# KiCad board Zynq_SoM.kicad_pcb (continued)
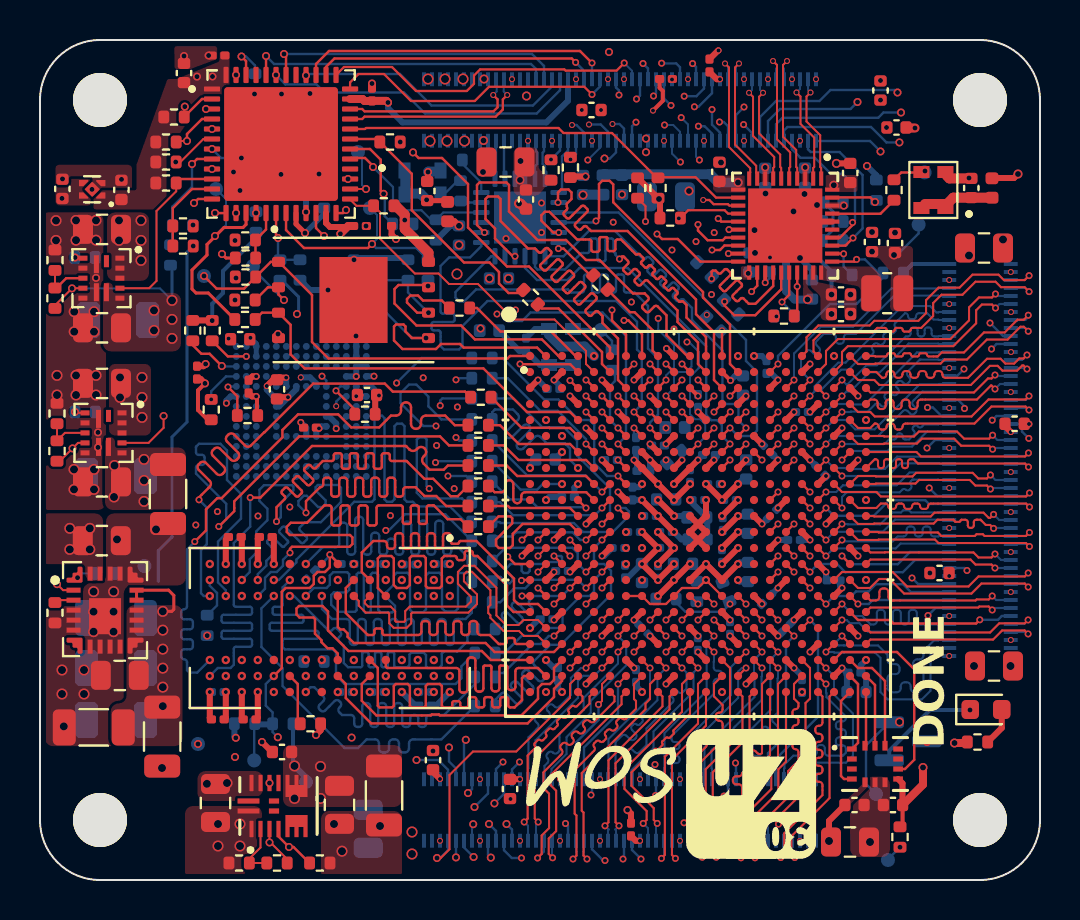
[diagram p0: board, top side]
## Routing (per net, layer and track width the routed paths; a pad name or vN(x,y) marks a point on that pad's centre or on a via; arc(x,y) is an arc through that point) (continued)
/Zynq_B502_DDR/DDR_DQ7: length 17.4
  L1 (Sig) w0.12: U2.Y1 22.54,11 22.09,11.45 15.42,11.45 14.4,12.48 14.4,13.43 14.12,13.7 12.95,13.7 12.82,13.58 12.82,13.28 12.97,13.13 13.67,13.13 13.75,13.05 13.75,12.31 14.07,11.99 14.07,11.89 14.38,11.59 14.62,11.59 14.89,11.32 U1.H7
/Zynq_B502_DDR/DDR_DQ8: length 15
  L1 (Sig) w0.12: U2.R3 v1(25.7,14.6)
  L6 (Sig+Pwr) w0.135: v1(25.7,14.6) 26.18,14.12 26.18,11.75 25.95,11.53 25.95,10.82 24.13,9 21.78,9 21.68,8.9 21.28,8.9 21.18,9 18.68,9 18.49,9.19 18.49,10.6 v1(18.09,11)
/Zynq_B502_DDR/DDR_DQ9: length 15.5
  L1 (Sig) w0.12: v1(26.5,16.2) U2.N3
  L6 (Sig+Pwr) w0.135: v1(26.5,16.2) U2.N3 26.1,17.64 25.26,18.48 23.78,18.48 23.75,18.5 23.38,18.5 23.35,18.48 18.66,18.48 18.15,17.97 18.15,17.05 17.69,16.59 17.69,14.78 17.87,14.6 18.49,14.6 v1(18.89,14.2)
/Zynq_B502_DDR/DDR_DQ10: length 10.9
  L1 (Sig) w0.12: v1(24.9,14.6) U2.T2
  L6 (Sig+Pwr) w0.135: v1(24.9,14.6) 24.9,11.02 23.65,9.78 22.82,9.78 22.81,9.76 22.42,9.76 22.41,9.78 19.31,9.78 v1(18.89,10.2)
/Zynq_B502_DDR/DDR_DQ11: length 15.5
  L1 (Sig) w0.12: U2.M2 v1(24.9,17)
  L6 (Sig+Pwr) w0.135: v1(18.89,15) 18.6,15 18.49,15.11 18.49,16.25 18.66,16.42 18.66,17.86 18.78,17.98 18.92,17.98 arc(19.06,17.92) 19.12,17.78 19.12,16.68 arc(19.18,16.54) 19.32,16.48 19.42,16.48 arc(19.56,16.54) 19.62,16.68 19.62,17.78 arc(19.68,17.92) 19.82,17.98 19.92,17.98 arc(20.06,17.92) 20.12,17.78 20.12,17.23 arc(20.18,17.09) 20.32,17.03 20.42,17.03 arc(20.56,17.09) 20.62,17.23 20.62,17.78 arc(20.68,17.92) 20.82,17.98 24.79,17.98 25.2,17.57 25.2,17.3 v1(24.9,17)
/Zynq_B502_DDR/DDR_DQ12: length 13.3
  L1 (Sig) w0.12: v1(24.07,14.98) 24.1,15 U2.R1
  L6 (Sig+Pwr) w0.135: v1(20.49,11) 21.33,11 arc(21.51,11.07) 21.58,11.25 arc(21.65,11.43) 21.83,11.5 22.17,11.5 arc(22.35,11.43) 22.42,11.25 arc(22.49,11.07) 22.67,11 23.27,11 23.55,11.28 23.55,11.76 arc(23.5,11.88) 23.37,11.94 21.91,11.94 arc(21.78,11.99) 21.73,12.11 21.73,12.26 arc(21.78,12.38) 21.91,12.44 23.37,12.44 arc(23.5,12.49) 23.55,12.61 23.55,12.76 arc(23.5,12.88) 23.37,12.94 22.66,12.94 arc(22.53,12.99) 22.48,13.11 22.48,13.26 arc(22.53,13.38) 22.66,13.44 23.37,13.44 arc(23.5,13.49) 23.55,13.61 23.55,14.31 24.07,14.83 v1(24.07,14.98)
/Zynq_B502_DDR/DDR_DQ13: length 14
  L1 (Sig) w0.12: v1(24.1,17) U2.M1
  L6 (Sig+Pwr) w0.13: v1(24.1,17) 24.37,17 24.45,17.08 24.45,17.42 24.4,17.48 22.54,17.48 22.41,17.35 22.41,16.92 22.29,16.79 22.04,16.79 21.91,16.92 21.91,17.35 21.79,17.48 21.5,17.48 21.22,17.19 21.22,16.95 21.73,16.44 21.73,16.19 21.48,15.94 21.23,15.94 20.72,16.45 20.47,16.45 20.09,16.07 20.09,15.54 19.95,15.4 19.4,15.4 19.29,15.29 19.29,13.96 19.44,13.81 19.93,13.81 20.09,13.97 20.09,14.59 20.49,14.99 v1(20.49,15)
/Zynq_B502_DDR/DDR_DQ14: length 11.4
  L1 (Sig) w0.12: v1(24.1,14.2) U2.T1
  L6 (Sig+Pwr) w0.135: v1(19.69,10.2) 19.37,10.2 19.22,10.35 19.22,10.5 19.32,10.6 20.93,10.6 arc(21.01,10.57) 21.04,10.49 21.04,10.27 arc(21.08,10.19) 21.16,10.16 21.38,10.16 arc(21.46,10.19) 21.49,10.27 21.49,10.49 arc(21.53,10.57) 21.6,10.6 21.83,10.6 arc(21.91,10.57) 21.94,10.49 21.94,10.27 arc(21.98,10.19) 22.06,10.16 22.28,10.16 arc(22.36,10.19) 22.39,10.27 22.39,10.49 arc(22.43,10.57) 22.5,10.6 22.73,10.6 arc(22.81,10.57) 22.84,10.49 22.84,10.27 arc(22.88,10.19) 22.96,10.16 23.18,10.16 arc(23.26,10.19) 23.29,10.27 23.29,10.49 arc(23.33,10.57) 23.41,10.6 23.74,10.6 24.07,10.93 24.07,14.17 v1(24.1,14.2)
/Zynq_B502_DDR/DDR_DQ15: length 10.7
  L1 (Sig) w0.12: v1(25.7,13.8) U2.T3
  L6 (Sig+Pwr) w0.135: v1(25.7,13.8) 25.65,13.8 25.3,14.15 25.3,14.83 25.47,15 26.02,15 26.1,15.08 26.1,15.75 26.05,15.8 25.38,15.8 25.3,15.88 25.3,16.51 25.23,16.58 22.86,16.58 v1(20.49,14.2)
/Zynq_B502_DDR/DDR_DQS0_N: length 16.3
  L1 (Sig) w0.1: U1.G3 15.94,13.95 15.94,13.72 16.29,13.37 17.41,13.37 17.46,13.32 17.46,12.84 17.69,12.61 18.33,12.61 18.56,12.84 18.56,13.32 18.61,13.37 21.42,13.37 21.85,13.8 21.85,14.28 21.2,14.94 21.2,15.28 21.33,15.41 21.6,15.41 22.52,14.49 22.52,13.75 22.41,13.64 22.41,13.35 22.52,13.24 22.52,13.11 23.18,12.45 23.95,12.45 24.2,12.2 24.9,12.2 U2.W2
/Zynq_B502_DDR/DDR_DQS0_P: length 15.7
  L1 (Sig) w0.1: U2.V2 24.9,13 24.17,13 23.92,12.75 23.3,12.75 22.82,13.23 22.82,14.61 21.72,15.71 21.21,15.71 20.9,15.4 20.9,14.81 21.55,14.16 21.55,13.92 21.29,13.67 18.49,13.67 18.26,13.44 18.26,12.96 18.21,12.91 17.81,12.91 17.76,12.96 17.76,13.44 17.53,13.67 16.41,13.67 16.24,13.84 16.24,13.95 U1.F3
/Zynq_B502_DDR/DDR_DQS1_N: length 13.3
  L1 (Sig) w0.1: v1(24.9,15.4) U2.P2
  L6 (Sig+Pwr) w0.1: v1(24.9,15.4) 24.65,15.65 24.58,15.65 24.32,15.39 23.71,15.39 23.58,15.27 arc(23.55,15.19) 23.58,15.12 arc(23.61,15.04) 23.58,14.97 23.35,14.73 arc(23.27,14.7) 23.19,14.73 arc(23.12,14.76) 23.04,14.73 22.81,14.49 arc(22.77,14.41) 22.81,14.34 arc(22.84,14.26) 22.81,14.19 22.57,13.95 arc(22.49,13.92) 22.42,13.95 arc(22.34,13.98) 22.27,13.95 21.89,13.57 21.89,13.15 21.44,12.7 21.07,12.7 21.01,12.64 21.01,11.81 20.77,11.57 20.1,11.57 19.86,11.81 19.86,12.64 19.8,12.7 18.6,12.7 18.47,12.58 18.47,12.15 18.75,11.88 19.16,11.88 19.44,11.6 19.44,11.25 v1(19.69,11)
/Zynq_B502_DDR/DDR_DQS1_P: length 13.4
  L1 (Sig) w0.1: U2.N2 v1(24.9,16.2)
  L6 (Sig+Pwr) w0.1: v1(24.9,16.2) 24.65,15.95 24.46,15.95 24.2,15.69 23.58,15.69 21.59,13.69 21.59,13.27 21.31,13 20.95,13 20.71,12.76 20.71,11.93 20.65,11.87 20.22,11.87 20.16,11.93 20.16,12.76 19.92,13 18.47,13 18.17,12.7 18.17,12 18.6,11.58 19.04,11.58 19.14,11.47 19.14,11.25 v1(18.89,11)
/Zynq_B502_DDR/DDR_ODT: length 6.3
  L1 (Sig) w0.12: U2.P5 v1(27.3,15.4)
  L8 (Sig) w0.12: v1(27.3,15.4) 26.88,15.82 26.88,16.35 26.62,16.61 23.27,16.61 R72.1
/Zynq_B502_DDR/DDR_ODT_T: length 27.7
  L8 (Sig) w0.12: R72.2 20.9,16.64 20.72,16.64 arc(20.61,16.59) 20.56,16.48 20.56,16.43 arc(20.51,16.31) 20.4,16.27 20.32,16.27 arc(20.21,16.31) 20.16,16.43 20.16,17.8 arc(20.11,17.92) 20,17.96 19.92,17.96 arc(19.81,17.92) 19.76,17.8 19.76,16.43 arc(19.71,16.31) 19.6,16.27 19.52,16.27 arc(19.41,16.31) 19.36,16.43 19.36,17.8 arc(19.31,17.92) 19.2,17.96 19.12,17.96 arc(19.01,17.92) 18.96,17.8 18.96,16.43 arc(18.91,16.31) 18.8,16.27 18.72,16.27 arc(18.61,16.31) 18.56,16.43 18.56,17.75 arc(18.51,17.87) 18.4,17.91 18.32,17.91 arc(18.21,17.87) 18.16,17.75 18.16,16.43 arc(18.11,16.31) 18,16.27 17.92,16.27 arc(17.81,16.31) 17.76,16.43 17.76,16.9 arc(17.71,17.02) 17.6,17.06 17.52,17.06 arc(17.41,17.02) 17.36,16.9 17.36,16.43 arc(17.31,16.31) 17.2,16.27 17.12,16.27 arc(17.01,16.31) 16.96,16.43 16.96,17.2 arc(16.91,17.32) 16.8,17.36 16.72,17.36 arc(16.61,17.32) 16.56,17.2 16.56,16.43 arc(16.51,16.31) 16.4,16.27 16.32,16.27 arc(16.21,16.31) 16.16,16.43 16.16,18 arc(16.11,18.12) 16,18.16 15.92,18.16 arc(15.81,18.12) 15.76,18 15.76,16.43 arc(15.71,16.31) 15.6,16.27 15.52,16.27 arc(15.41,16.31) 15.36,16.43 15.36,17.7 arc(15.31,17.82) 15.2,17.86 15.12,17.86 arc(15.01,17.82) 14.96,17.7 14.96,16.8 arc(14.91,16.69) 14.8,16.64 14.13,16.64 v1(13.29,15.8)
/Zynq_B502_DDR/DDR_VRN:
  vias: v1(29.3,17.4)
/Zynq_B502_DDR/DDR_VRP:
  vias: v1(29.3,16.6)
/Zynq_B502_DDR/DDR_ZQ: length 2.6
  L1 (Sig) w0.12: U1.L8 12.89,9.8 12.89,7.93 R45.1
/Zynq_B502_DDR/DDR_~{CAS}: length 6.8
  L1 (Sig) w0.12: U2.P3 v1(25.7,16.2)
  L8 (Sig) w0.12: v1(25.7,16.2) 26.05,16.2 26.1,16.15 26.1,15.98 26.02,15.9 25.27,15.9 25.17,15.8 24.58,15.8 24.48,15.7 24.48,15.45 24.38,15.35 24.18,15.35 24.08,15.45 24.08,15.7 23.98,15.8 23.53,15.8 23.31,15.58 23.31,15.44 23.63,15.12 23.63,14.98 23.49,14.83 23.35,14.83 23.03,15.15 22.89,15.15 22.65,14.92 R49.1
/Zynq_B502_DDR/DDR_~{CAS}_T: length 29.7
  L8 (Sig) w0.12: R49.2 21.59,15.31 21.55,15.35 20.95,15.35 20.9,15.3 20.9,13.57 20.76,13.43 20.26,13.43 20.1,13.59 20.1,15.23 19.96,15.36 19.43,15.36 19.3,15.23 19.3,13.53 19.16,13.39 18.62,13.39 18.5,13.51 18.5,15.23 18.36,15.36 17.83,15.36 17.69,15.22 17.69,14.77 17.31,14.39 17.31,14.15 17.75,13.71 17.75,13.52 17.61,13.38 17.04,13.38 16.91,13.51 16.91,15.26 16.81,15.36 16.62,15.36 16.54,15.27 16.54,13.45 16.45,13.36 16.28,13.36 16.19,13.45 16.19,15.27 16.1,15.36 15.91,15.36 15.83,15.28 15.83,13.49 15.75,13.41 14.91,13.41 14.56,13.76 14.56,14.25 14.69,14.38 15.33,14.38 15.46,14.51 15.46,15.29 15.36,15.39 14.66,15.39 14.49,15.22 14.49,14.77 14.32,14.6 13.69,14.6 v1(13.29,14.2)
/Zynq_B502_DDR/DDR_~{CS}: length 8.2
  L1 (Sig) w0.12: U2.P6 v1(28.1,15.4)
  L8 (Sig) w0.12: R51.1 23.22,11.35 24.09,12.22 24.79,12.22 25.17,12.6 25.97,12.6 26.13,12.76 26.13,13.3 27.03,14.2 27.47,14.2 27.7,14.42 27.7,15 v1(28.1,15.4)
/Zynq_B502_DDR/DDR_~{CS}_T: length 23.1
  L8 (Sig) w0.12: v1(12.49,15) 12.49,14.99 12.13,14.63 12.13,13.76 arc(12.1,13.69) 12.03,13.66 11.73,13.66 arc(11.66,13.63) 11.63,13.56 11.63,13.36 arc(11.66,13.29) 11.73,13.26 13.08,13.26 arc(13.15,13.23) 13.18,13.16 13.18,12.96 arc(13.15,12.89) 13.08,12.86 11.58,12.86 arc(11.51,12.83) 11.48,12.76 11.48,12.56 arc(11.51,12.49) 11.58,12.46 13.83,12.46 arc(13.9,12.43) 13.93,12.36 13.93,12.16 arc(13.9,12.09) 13.83,12.06 12.23,12.06 arc(12.16,12.03) 12.13,11.96 12.13,11.65 12.25,11.53 14.64,11.53 14.8,11.38 14.8,10.23 15.22,9.8 20.78,9.8 21.07,10.09 21.07,10.68 R51.2
/Zynq_B502_DDR/DDR_~{RAS}: length 5.9
  L1 (Sig) w0.12: U2.R5 v1(27.3,14.6)
  L8 (Sig) w0.12: v1(27.3,14.6) 26.89,15.01 24.69,15.01 24.26,14.59 23.72,14.59 23.01,13.89 R52.1
/Zynq_B502_DDR/DDR_~{RAS}_T: length 25.3
  L8 (Sig) w0.12: v1(14.09,14.2) 14.1,14.19 14.1,13.55 14.6,13.05 15.33,13.05 arc(15.44,13) 15.49,12.89 15.49,11.91 arc(15.54,11.8) 15.65,11.75 15.73,11.75 arc(15.84,11.8) 15.89,11.91 15.89,12.89 arc(15.94,13) 16.05,13.05 16.13,13.05 arc(16.24,13) 16.29,12.89 16.29,11.91 arc(16.34,11.8) 16.45,11.75 16.53,11.75 arc(16.64,11.8) 16.69,11.91 16.69,12.89 arc(16.74,13) 16.85,13.05 16.93,13.05 arc(17.04,13) 17.09,12.89 17.09,11.91 arc(17.14,11.8) 17.25,11.75 17.33,11.75 arc(17.44,11.8) 17.49,11.91 17.49,12.89 arc(17.54,13) 17.65,13.05 17.73,13.05 arc(17.84,13) 17.89,12.89 17.89,11.91 arc(17.94,11.8) 18.05,11.75 18.13,11.75 arc(18.24,11.8) 18.29,11.91 18.29,12.89 arc(18.34,13) 18.45,13.05 18.53,13.05 arc(18.64,13) 18.69,12.89 18.69,11.91 arc(18.74,11.8) 18.85,11.75 18.93,11.75 arc(19.04,11.8) 19.09,11.91 19.09,12.89 arc(19.14,13) 19.25,13.05 19.33,13.05 arc(19.44,13) 19.49,12.89 19.49,11.91 arc(19.54,11.8) 19.65,11.75 19.73,11.75 arc(19.84,11.8) 19.89,11.91 19.89,12.89 arc(19.94,13) 20.05,13.05 20.13,13.05 arc(20.24,13) 20.29,12.89 20.29,11.91 arc(20.34,11.8) 20.45,11.75 20.53,11.75 arc(20.64,11.8) 20.69,11.91 20.69,12.89 arc(20.74,13) 20.85,13.05 21.28,13.05 21.59,13.36 R52.2
/Zynq_B502_DDR/DDR_~{RST}: length 33.2
  L6 (Sig+Pwr) w0.135: v1(26.1,22.2) 26.1,22.75 24.99,23.86 24.13,23.86 23.28,24.71 22.86,24.71 19.87,27.7 13.88,27.7 11.83,25.65 11.83,24.22 7.32,19.72 7.32,15.57 7.89,15 v1(8.49,15)
  L8 (Sig) w0.12: R48.1 8.85,13.73 8.85,14.35 8.49,14.71 v1(8.49,15)
/Zynq_B502_DDR/DDR_~{WE}: length 8.4
  L1 (Sig) w0.12: U2.R4 v1(26.5,14.6)
  L8 (Sig) w0.12: v1(26.5,14.6) 26.1,14.2 24.7,14.2 24.48,13.98 arc(24.43,13.86) 24.48,13.73 24.59,13.63 arc(24.64,13.51) 24.59,13.38 arc(24.46,13.33) 24.34,13.38 23.88,13.84 arc(23.76,13.89) 23.63,13.84 arc(23.58,13.72) 23.63,13.59 24.09,13.13 arc(24.14,13.01) 24.09,12.89 arc(23.97,12.84) 23.85,12.89 23.39,13.35 arc(23.26,13.4) 23.14,13.35 arc(23.09,13.22) 23.14,13.1 23.25,12.99 arc(23.3,12.87) 23.24,12.75 23.05,12.55 R71.1
/Zynq_B502_DDR/DDR_~{WE}_T: length 18.4
  L8 (Sig) w0.12: v1(12.49,14.2) 12.7,14.2 14.41,12.49 arc(14.5,12.45) 14.59,12.49 14.67,12.57 arc(14.76,12.6) 14.85,12.57 15.03,12.39 arc(15.06,12.3) 15.03,12.21 14.94,12.13 arc(14.91,12.04) 14.94,11.95 15.19,11.71 15.19,10.85 15.4,10.64 16.03,10.64 arc(16.09,10.66) 16.11,10.72 16.11,11.31 arc(16.13,11.37) 16.19,11.39 16.35,11.39 arc(16.41,11.37) 16.43,11.31 16.43,10.72 arc(16.45,10.66) 16.51,10.64 16.67,10.64 arc(16.73,10.66) 16.75,10.72 16.75,11.31 arc(16.77,11.37) 16.83,11.39 16.99,11.39 arc(17.05,11.37) 17.07,11.31 17.07,10.72 arc(17.09,10.66) 17.15,10.64 17.31,10.64 arc(17.37,10.66) 17.39,10.72 17.39,11.31 arc(17.41,11.37) 17.47,11.39 17.63,11.39 arc(17.69,11.37) 17.71,11.31 17.71,10.72 arc(17.73,10.66) 17.79,10.64 18.36,10.64 18.47,10.75 18.47,11.28 18.56,11.36 19.19,11.36 19.3,11.25 19.3,10.66 19.36,10.6 19.95,10.6 20.09,10.74 20.09,11.32 20.2,11.43 20.87,11.43 21.37,11.93 21.37,12.18 R71.2
eMMC_CLK: length 37.9
  L1 (Sig) w0.12: v1(32.1,24.2) U2.D11
  L4 (Sig+Pwr) w0.135: v2(14.81,23.69) 14.81,23.82 15.64,24.65 17.07,24.65 17.14,24.72 17.14,26.25 17.37,26.48 18.47,26.48 18.76,26.19 18.76,26.05 arc(18.71,25.92) 18.58,25.87 17.92,25.87 arc(17.8,25.82) 17.74,25.69 17.74,25.6 arc(17.8,25.47) 17.92,25.42 18.58,25.42 arc(18.71,25.37) 18.76,25.24 18.76,25.15 arc(18.71,25.02) 18.58,24.97 18.47,24.97 arc(18.35,24.92) 18.29,24.79 18.29,24.7 arc(18.35,24.57) 18.47,24.52 18.58,24.52 arc(18.71,24.47) 18.76,24.34 18.76,24.11 18.83,24.04 19.49,24.04 19.59,24.14 20.81,24.14 20.89,24.22 20.89,24.48 20.77,24.6 19.73,24.6 19.58,24.75 19.58,25.09 arc(19.62,25.18) 19.7,25.22 20.16,25.22 arc(20.25,25.25) 20.29,25.34 20.29,25.59 arc(20.25,25.68) 20.16,25.72 19.7,25.72 arc(19.62,25.75) 19.58,25.84 19.58,26.09 19.69,26.2 20.85,26.2 21.3,25.75 arc(21.43,25.69) 21.56,25.75 21.8,25.99 arc(21.92,26.04) 22.05,25.99 22.11,25.92 arc(22.17,25.8) 22.11,25.67 21.38,24.94 arc(21.33,24.81) 21.38,24.68 21.44,24.62 arc(21.57,24.56) 21.7,24.62 22.43,25.35 arc(22.56,25.4) 22.69,25.35 22.75,25.29 arc(22.8,25.16) 22.75,25.03 22.02,24.3 arc(21.96,24.17) 22.02,24.04 22.08,23.98 arc(22.21,23.93) 22.34,23.98 22.58,24.22 arc(22.7,24.27) 22.83,24.22 23.04,24.01 26.02,24.01 27.03,23 30.65,23 30.9,23.25 30.9,23.6 31.11,23.81 31.71,23.81 v1(32.1,24.2)
  L8 (Sig) w0.12: v2(14.81,23.69) 14.81,23.92 15.07,24.18 U7.M6
eMMC_CMD: length 39.5
  L1 (Sig) w0.12: v1(14.8,24.46) 15.74,23.52 R39.2 ; U2.B10 v1(31.3,25.8)
  L4 (Sig+Pwr) w0.135: v1(31.3,25.8) 30.9,25.4 30.9,24.8 30.7,24.6 30.34,24.6 30.1,24.36 30.1,24.05 29.87,23.82 27.13,23.82 26.9,24.05 26.9,24.35 26.66,24.59 24.36,24.59 20.22,28.72 20.22,29.78 19.85,30.15 18.2,30.15 17.05,29 15.38,29 15.2,28.83 15.2,28.05 15.4,27.85 16.23,27.85 16.63,28.25 16.63,28.27 18.6,28.27 18.96,27.91 20.04,27.91 20.38,27.58 20.38,27 20,26.62 19.11,26.62 18.36,27.38 17.08,27.38 16.52,26.82 16.52,26.19 16.08,25.75 14.93,25.75 14.8,25.62 v1(14.8,24.46)
  L8 (Sig) w0.12: v1(14.8,24.46) 15.02,24.68 U7.M5
eMMC_D0: length 37.1
  L1 (Sig) w0.12: U2.D12 v1(33.7,24.2) ; R40.2 7.64,26.74 8.07,26.31 8.48,26.31 v4(9.09,25.7)
  L4 (Sig+Pwr) w0.135: v4(9.09,25.7) 9.09,25.69 10.31,24.47 10.31,23.52 10.72,23.11 arc(10.78,22.97) 10.72,22.83 10.6,22.71 arc(10.54,22.56) 10.6,22.42 10.67,22.35 arc(10.81,22.29) 10.96,22.35 11.08,22.47 arc(11.22,22.53) 11.36,22.47 11.43,22.4 arc(11.49,22.26) 11.43,22.12 11.31,22 arc(11.25,21.86) 11.31,21.72 11.38,21.65 arc(11.52,21.59) 11.66,21.65 11.78,21.77 arc(11.92,21.82) 12.06,21.77 12.24,21.59 18.92,21.59 19.61,22.28 20.17,22.28 20.53,22.64 21.07,22.64 21.91,21.8 22.85,21.8 arc(22.99,21.86) 23.05,22 23.05,22.2 arc(23.11,22.34) 23.25,22.4 23.35,22.4 arc(23.49,22.34) 23.55,22.2 23.55,22 arc(23.61,21.86) 23.75,21.8 23.85,21.8 arc(23.99,21.86) 24.05,22 24.05,22.2 arc(24.11,22.34) 24.25,22.4 24.35,22.4 arc(24.49,22.34) 24.55,22.2 24.55,22 arc(24.61,21.86) 24.75,21.8 24.85,21.8 arc(24.99,21.86) 25.05,22 25.05,22.2 arc(25.11,22.34) 25.25,22.4 25.35,22.4 arc(25.49,22.34) 25.55,22.2 25.55,22 arc(25.61,21.86) 25.75,21.8 26.44,21.8 26.84,21.4 31.43,21.4 31.74,21.71 31.74,22.01 32.74,23.01 33.09,23.01 33.3,23.22 U2.D12 v1(33.7,24.2)
  L8 (Sig) w0.12: v4(9.09,25.7) 9.11,25.68 U7.A3
eMMC_D1: length 34.9
  L1 (Sig) w0.12: v1(34.5,24.2) U2.C14
  L4 (Sig+Pwr) w0.135: v1(34.5,24.2) 34.1,23.8 34.1,21.6 33.9,21.4 32.7,21.4 32.51,21.21 32.51,20.83 31.9,20.22 29.71,20.22 29.31,19.82 28.56,19.82 28.16,20.22 21.13,20.22 20.75,20.61 20.16,20.61 19.54,19.99 11.19,19.99 8.7,22.48 8.7,23.89 v1(8.56,24.03)
  L8 (Sig) w0.12: v1(8.56,24.03) 8.56,24.44 9.3,25.18 U7.A4
eMMC_D2: length 37.9
  L1 (Sig) w0.12: R42.2 9.86,24.19 v1(9.4,24.65) ; v1(33.7,23.4) U2.D13
  L4 (Sig+Pwr) w0.135: v1(33.7,23.4) 33.7,23.15 33.29,22.74 33.29,22.34 33.17,22.22 32.75,22.22 31.71,21.19 31.71,20.82 31.49,20.6 27.55,20.6 27.12,21.03 21.32,21.03 21.05,21.3 19.33,21.3 18.72,20.7 18.67,20.7 arc(18.58,20.66) 18.55,20.58 18.55,20.54 arc(18.51,20.45) 18.42,20.41 18.17,20.41 arc(18.08,20.45) 18.05,20.54 18.05,20.86 arc(18.01,20.95) 17.92,20.99 17.67,20.99 arc(17.58,20.95) 17.55,20.86 17.55,20.54 arc(17.51,20.45) 17.42,20.41 17.17,20.41 arc(17.08,20.45) 17.05,20.54 17.05,20.86 arc(17.01,20.95) 16.92,20.99 16.67,20.99 arc(16.58,20.95) 16.55,20.86 16.55,20.54 arc(16.51,20.45) 16.42,20.41 16.17,20.41 arc(16.08,20.45) 16.05,20.54 16.05,20.86 arc(16.01,20.95) 15.92,20.99 15.67,20.99 arc(15.58,20.95) 15.55,20.86 15.55,20.54 arc(15.51,20.45) 15.42,20.41 15.17,20.41 arc(15.08,20.45) 15.05,20.54 15.05,20.86 arc(15.01,20.95) 14.92,20.99 14.67,20.99 arc(14.58,20.95) 14.55,20.86 14.55,20.54 arc(14.51,20.45) 14.42,20.41 14.17,20.41 arc(14.08,20.45) 14.05,20.54 14.05,20.86 arc(14.01,20.95) 13.92,20.99 13.67,20.99 arc(13.58,20.95) 13.55,20.86 13.55,20.54 arc(13.51,20.45) 13.42,20.41 13.17,20.41 arc(13.08,20.45) 13.05,20.54 13.05,20.86 arc(13.01,20.95) 12.92,20.99 12.67,20.99 arc(12.58,20.95) 12.55,20.86 12.55,20.54 arc(12.51,20.45) 12.42,20.41 12.17,20.41 arc(12.08,20.45) 12.05,20.54 12.05,20.58 arc(12.01,20.66) 11.92,20.7 11.5,20.7 9.75,22.45 9.75,24.12 9.4,24.47 v1(9.4,24.65)
  L8 (Sig) w0.12: U7.A5 9.43,24.68 v1(9.4,24.65)
eMMC_D3: length 41.5
  L1 (Sig) w0.12: R43.2 9.39,26.18 v1(10.31,26.18) ; U2.C10 v1(32.1,25)
  L4 (Sig+Pwr) w0.135: v1(32.1,25) 32.5,24.6 32.5,23.27 32.24,23.01 31.13,23.01 30.9,22.78 30.9,22.38 30.72,22.2 26.87,22.2 25.67,23.4 23.82,23.4 arc(23.68,23.34) 23.62,23.2 23.62,23.13 arc(23.56,22.99) 23.42,22.93 23.32,22.93 arc(23.18,22.99) 23.12,23.13 23.12,23.2 arc(23.06,23.34) 22.92,23.4 22.82,23.4 arc(22.68,23.34) 22.62,23.2 22.62,22.78 arc(22.56,22.64) 22.42,22.58 22.32,22.58 arc(22.18,22.64) 22.12,22.78 22.12,23.2 arc(22.06,23.34) 21.92,23.4 21.8,23.4 21.65,23.25 19.45,23.25 18.3,22.1 18.17,22.1 arc(18.02,22.16) 17.96,22.31 17.96,23.49 arc(17.9,23.64) 17.75,23.7 17.65,23.7 arc(17.5,23.64) 17.44,23.49 17.44,22.31 arc(17.38,22.16) 17.23,22.1 17.13,22.1 arc(16.98,22.16) 16.92,22.31 16.92,23.49 arc(16.86,23.64) 16.71,23.7 16.61,23.7 arc(16.46,23.64) 16.4,23.49 16.4,22.31 arc(16.34,22.16) 16.19,22.1 16.09,22.1 arc(15.94,22.16) 15.88,22.31 15.88,23.49 arc(15.82,23.64) 15.67,23.7 15.57,23.7 arc(15.42,23.64) 15.36,23.49 15.36,22.31 arc(15.3,22.16) 15.15,22.1 12.79,22.1 11.5,23.39 11.5,24.01 10.81,24.7 10.69,24.7 10.31,25.08 v1(10.31,26.18)
eMMC_~{RST}: length 10.1
  L1 (Sig) w0.12: U9.16 v4(10.8,33.35)
  L4 (Sig+Pwr) w0.12: v1(14.1,25.19) 14.1,28.83 10.8,32.12 v4(10.8,33.35)
  L8 (Sig) w0.12: U7.K5 14.31,24.98 v1(14.1,25.19)
ETH_LED0: length 1.8
  L1 (Sig) w0.12: U3.32 40.17,31.32 v1(40.18,31.31)
  L8 (Sig) w0.12: R18.2 40.18,30.68 v1(40.18,31.31) 40.19,31.3
ETH_LED1: length 8.8
  L1 (Sig) w0.12: U3.33 40.27,31.72 v1(40.65,32.1)
  L8 (Sig) w0.12: J1.98 38.4,36.54 38.54,36.4 39.98,36.4 41.13,35.25 41.13,32.58 v1(40.65,32.1) 40.26,32.1 R17.1
ETH_LED2: length 8.1
  L1 (Sig) w0.12: U3.34 40,32.12 40.63,32.75 v1(40.63,32.88)
  L8 (Sig) w0.12: J1.94 37.6,36.54 38.03,36.11 38.74,36.11 39.54,35.31 40.12,35.31 40.75,34.68 40.75,33 v1(40.63,32.88) 40.21,32.88 R19.2
ETH_PHY_INT: length 10.8
  L1 (Sig) w0.1: U2.B16 v1(36.9,25.8)
  L1 (Sig) w0.12: U3.31 40.72,30.92 v1(40.83,31.03)
  L8 (Sig) w0.12: v1(36.9,25.8) 36.9,26.2 39.5,28.8 40.82,28.8 42.15,30.12 41.25,31.03 v1(40.83,31.03)
ETH_PHY_MDC: length 14.9
  L1 (Sig) w0.11: U3.13 34.47,33.72 34.4,33.79 33.68,33.79 33.47,34 v2(33.16,34)
  L1 (Sig) w0.12: U2.D10 v1(31.3,24.2)
  L4 (Sig+Pwr) w0.1: v1(31.7,27.55) 31.9,27.75 31.9,31.1 32.03,31.23 32.03,32.25 31.5,32.78 31.5,33.3 32.01,33.81 32.97,33.81 v2(33.16,34)
  L8 (Sig) w0.1: v1(31.7,27.55) 31.95,27.3 31.95,26.72 32.57,26.1 32.57,25.67 32.3,25.4 31.93,25.4 31.7,25.17 31.7,24.6 v1(31.3,24.2)
ETH_PHY_MDI0_N: length 5.4
  L1 (Sig) w0.1: v2(37.82,39.38) 38.02,39.18 38.02,37.8 38.71,37.12 38.71,35.65 38.66,35.6 U3.2
  L8 (Sig) w0.1: v2(37.82,39.38) 38,39.55 J1.95
ETH_PHY_MDI0_P: length 5.4
  L1 (Sig) w0.1: U3.1 39.06,35.6 39.01,35.65 39.01,37.24 38.33,37.93 38.33,39.18 v2(38.53,39.38)
  L8 (Sig) w0.1: J1.97 38.4,39.5 v2(38.53,39.38)
ETH_PHY_MDI1_N: length 7.3
  L1 (Sig) w0.1: U3.5 37.46,35.6 37.51,35.65 37.51,36.38 36.85,37.04 36.85,40.75 v2(36.65,40.95)
  L8 (Sig) w0.1: J1.89 36.8,40.57 36.85,40.62 36.85,40.75 v2(36.65,40.95)
ETH_PHY_MDI1_P: length 7.3
  L1 (Sig) w0.1: U3.4 37.86,35.6 37.81,35.65 37.81,36.5 37.15,37.16 37.15,40.75 v2(37.35,40.95)
  L8 (Sig) w0.1: J1.91 37.2,40.57 37.15,40.62 37.15,40.75 v2(37.35,40.95)
ETH_PHY_MDI2_N: length 5.6
  L1 (Sig) w0.1: U3.7 36.66,35.6 36.71,35.65 36.71,36.15 35.65,37.21 35.65,39.16 v2(35.45,39.36)
  L8 (Sig) w0.1: J1.83 35.6,39.51 v2(35.45,39.36)
ETH_PHY_MDI2_P: length 5.6
  L1 (Sig) w0.1: v2(36.15,39.36) 35.95,39.16 35.95,37.33 37.01,36.27 37.01,35.65 37.06,35.6 U3.6
  L8 (Sig) w0.1: J1.85 36,39.51 v2(36.15,39.36)
ETH_PHY_MDI3_N: length 7.1
  L1 (Sig) w0.1: U3.10 35.46,35.32 35.51,35.37 35.51,35.59 34.45,36.65 34.45,40.63 v2(34.25,40.83)
  L8 (Sig) w0.1: v2(34.25,40.83) 34.4,40.67 J1.77
ETH_PHY_MDI3_P: length 7.1
  L1 (Sig) w0.1: v2(34.95,40.83) 34.75,40.63 34.75,36.77 35.81,35.71 35.81,35.37 35.86,35.32 U3.9
  L8 (Sig) w0.1: v2(34.95,40.83) 34.8,40.67 J1.79
ETH_PHY_MDIO: length 12.2
  L1 (Sig) w0.11: R14.2 32.41,33.49 34.23,33.49 34.4,33.32 U3.14
  L1 (Sig) w0.12: U2.C12 v1(32.9,25)
  L4 (Sig+Pwr) w0.1: v1(32.9,25) 32.9,27.4 32.4,27.9 32.4,32.65 31.97,33.08 v1(31.94,33.08)
ETH_PHY_RST: length 20.9
  L1 (Sig) w0.11: U9.32 16.25,37.55 16.3,37.6 25.93,37.6 26.18,37.35 28.6,37.35 30.81,35.14 32.78,35.14 33.8,34.12 U3.12
ETH_PHY_RXC: length 7.3
  L1 (Sig) w0.12: U3.27 v1(37.86,29.68) 37.86,28.35 R9.1
  L6 (Sig+Pwr) w0.135: v1(37.86,29.67) 37.7,29.52 37.7,28.46 35.99,26.75 35.45,26.75 v1(34.9,26.2)
ETH_PHY_RXCTL: length 19
  L1 (Sig) w0.12: U3.26 37.46,29.26 v1(37.1,28.9) ; U2.D7 v1(28.9,24.2)
  L6 (Sig+Pwr) w0.135: v1(28.9,24.2) U2.D7 29.3,23.28 29.55,23.03 29.87,23.03 30.13,22.77 30.13,22.45 30.38,22.2 33.9,22.2 34.11,22.41 34.11,25.27 34.2,25.36 34.84,25.36 34.93,25.45 34.93,25.65 34.78,25.8 34.2,25.8 34.11,25.89 34.11,26.03 36.98,28.9 v1(37.1,28.9)
  L8 (Sig) w0.12: v1(37.1,28.9) 37.73,28.27 R10.1
ETH_PHY_RXD0: length 12.4
  L1 (Sig) w0.12: v1(34.23,28.92) 34.23,28.72 34.71,28.24 35.76,28.24 37.06,29.53 U3.25 ; v1(32.1,23.4) U2.E11
  L6 (Sig+Pwr) w0.135: v1(32.1,23.4) 31.7,23.8 31.7,26.88 32.7,27.88 32.7,28.28 33.08,28.66 33.97,28.66 v1(34.23,28.92)
ETH_PHY_RXD1: length 15.4
  L1 (Sig) w0.12: v1(33.58,30.06) 33.58,30.41 33.64,30.47 33.78,30.47 33.91,30.34 arc(33.98,30.31) 34.05,30.34 34.22,30.52 arc(34.29,30.55) 34.37,30.52 34.51,30.38 arc(34.54,30.31) 34.51,30.24 34.01,29.74 arc(33.98,29.67) 34.01,29.6 34.15,29.46 arc(34.23,29.43) 34.3,29.46 34.79,29.95 arc(34.86,29.98) 34.93,29.95 35.07,29.81 arc(35.1,29.74) 35.07,29.67 34.65,29.25 arc(34.62,29.18) 34.65,29.11 34.79,28.97 arc(34.86,28.94) 34.93,28.97 35.04,29.07 arc(35.11,29.1) 35.18,29.07 35.44,28.81 35.77,28.81 36.66,29.7 U3.24 ; U2.B7 v1(29.7,25.8)
  L6 (Sig+Pwr) w0.135: v1(33.58,30.06) 33.47,30.17 32.37,30.17 30.5,28.3 30.5,26.6 v1(29.7,25.8)
ETH_PHY_RXD2: length 13.9
  L1 (Sig) w0.12: 33.31,22.2 U2.F12 v1(33.7,22.6) ; v1(36.26,29.87) U3.23
  L6 (Sig+Pwr) w0.135: 33.69,22.58 33.3,22.97 33.3,25.06 arc(33.33,25.14) 33.41,25.17 33.59,25.17 arc(33.67,25.21) 33.7,25.28 33.7,25.51 arc(33.67,25.59) 33.59,25.62 33.01,25.62 arc(32.93,25.66) 32.9,25.73 32.9,25.96 arc(32.93,26.04) 33.01,26.07 33.19,26.07 arc(33.27,26.11) 33.3,26.19 33.3,26.47 33.85,27.03 34.46,27.03 37.02,29.59 37.02,30.21 36.85,30.38 36.54,30.38 36.4,30.24 36.4,30.01 v1(36.26,29.87)
  L8 (Sig) w0.12: v1(36.26,29.87) 36.47,30.09 R8.1
ETH_PHY_RXD3: length 8.4
  L1 (Sig) w0.12: v2(34.1,27.48) U2.A13 ; v1(35.58,29.42) 35.58,29.43 35.86,29.71 U3.22
  L6 (Sig+Pwr) w0.135: v1(35.58,29.42) 35.87,29.71 35.87,30.61 35.7,30.78 35.14,30.78 34.96,30.6 34.96,29.56 35.17,29.35 35.17,28.43 34.22,27.48 v2(34.1,27.48)
ETH_PHY_TXC: length 16.1
  L1 (Sig) w0.12: U3.20 33.02,30.92 31.89,32.05 31.1,32.05 v1(30.85,32.3)
  L1 (Sig) w0.135: v1(28.1,24.2) U2.D6
  L6 (Sig+Pwr) w0.135: v1(28.1,24.2) 28.7,24.8 28.7,27.35 27.8,28.25 27.8,30.87 28.96,32.03 30.57,32.03 v1(30.85,32.3)
ETH_PHY_TXCTL: length 10.9
  L1 (Sig) w0.12: U2.F11 v1(32.9,22.6) 32.9,22.62 ; v1(34.42,31.32) U3.19
  L6 (Sig+Pwr) w0.135: v1(34.42,31.32) 34.52,31.22 34.52,29.36 34.6,29.28 34.6,28.62 32.5,26.52 32.5,23.02 32.9,22.62
ETH_PHY_TXD0: length 14.9
  L1 (Sig) w0.12: U2.E9 v1(30.5,23.4) ; v1(33.6,31.5) 34,31.5 34.22,31.72 34.91,31.72 U3.18
  L6 (Sig+Pwr) w0.135: v1(33.6,31.5) 32.93,30.83 32.22,30.83 31.38,29.99 arc(31.29,29.95) 31.2,29.99 30.96,30.22 arc(30.88,30.26) 30.79,30.22 30.61,30.05 arc(30.57,29.96) 30.61,29.87 30.85,29.63 arc(30.88,29.55) 30.85,29.46 30.67,29.28 arc(30.58,29.24) 30.49,29.28 30.26,29.52 arc(30.17,29.55) 30.08,29.52 29.9,29.34 arc(29.87,29.25) 29.9,29.16 30.14,28.93 arc(30.18,28.84) 30.14,28.75 29.82,28.44 29.82,26.97 29.3,26.45 29.3,24.8 29.5,24.6 29.89,24.6 30.1,24.39 30.1,23.8 v1(30.5,23.4)